# Altium PCB MB1801.PcbDoc (part 3 of 4)
Units mm, origin at the board's own origin, x right, y up, seen from the top; angles counter-clockwise.
Board outline 70.1 x 57.1 mm, 4 copper layers (Top Layer, Signal Layer 1, Signal Layer 2, Bottom Layer), stack 1.614 mm thick; 219 components, 166 nets, 1002 pads, 473 vias.
Unrouted connection lines stored in the file: 2.
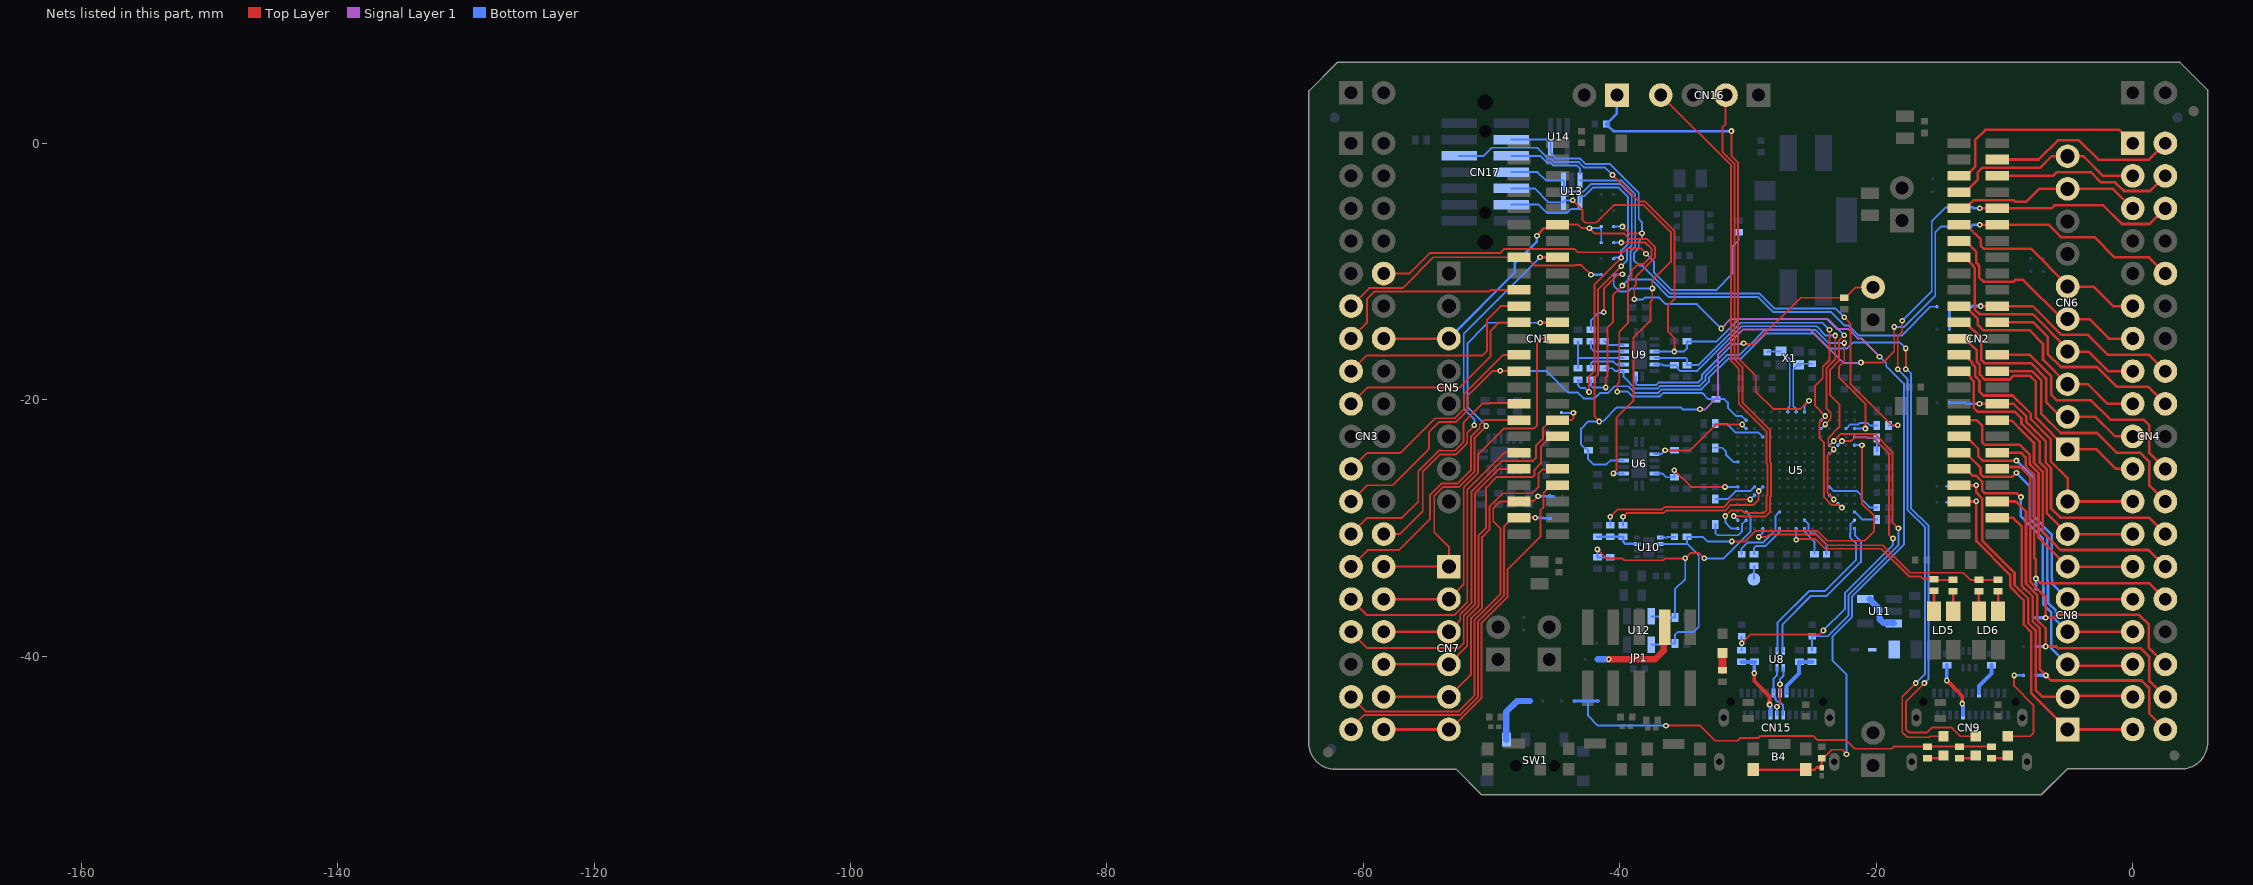
[diagram p5: the nets of this part, all layers, seen from the top]

## Via types
v1: diameter 0.45, hole 0.2, Top Layer to Bottom Layer, tented both sides, 473 vias

## Nets (pads, with @x,y where several pads share a name; then routed paths per layer and width w, separated by ;. In a path a pad name is that pad's centre, name@x,y a point inside that pad or via, vN(x,y) a via of type N, cw(c..) or ccw(c..) an arc to the next point about the centre after c; other vN are vias at no path point) (continued)
GPIO6/JTCK/SWCLK: CN1.15 CN3.11 SB15.1 | length 21.7
  Top Layer w0.15: CN3.11@-60.96,-12.7 -59.56,-11.3 -56.95,-11.3 -54.54,-8.89 CN1.15@-47.855,-8.89 -47.58,-9.165 -47.035,-9.165 -46.675,-9.525 -43.525,-9.525 -43.5,-9.5 -43,-9.5 v1(-42.25,-10.25)
  Bottom Layer w0.2: v1(-42.25,-10.25) SB15.1@-41.45,-10.25
GPIO7: CN1.16 CN3.26 | length 30.2
  Top Layer w0.15: CN3.26@-58.42,-30.48 -57.15,-30.48 -55.375,-28.705 -55.375,-25.614 -54.021,-24.26 -52.76,-24.26 -51.93,-23.43 -51.93,-23.387 -51.9,-23.357 -51.9,-22.575 -51.35,-22.025 v1(-51.35,-21.999)
  Top Layer w0.2: v1(-46.225,-8.9) -46.215,-8.89 CN1.16@-44.855,-8.89
  Bottom Layer w0.15: v1(-51.35,-21.999) -51.35,-21.525 -52.175,-20.7 -52.175,-14.85 v1(-46.225,-8.9)
GPIO8: CN1.19 CN3.13 | length 15.8
  Top Layer w0.15: CN3.13@-60.96,-15.24 -59.735,-14.015 -59.735,-12.16 -59.15,-11.575 -50.225,-11.575 -50.08,-11.43 ; -50.075,-11.425 -50.08,-11.43 ; CN1.19@-47.855,-11.43 -50.08,-11.43
GPIO9: CN1.21 CN3.15 | length 16.6
  Top Layer w0.15: CN3.15@-60.96,-17.78 -59.73,-16.55 -50.7,-16.55 -50.35,-16.2 -50.35,-15.598 -50.351,-15.597 -50.351,-13.751 -49.3,-12.7 CN1.21@-47.855,-12.7
GPIO10: CN1.23 CN3.17 | length 16.9
  Top Layer w0.15: CN3.17@-60.96,-20.32 -59.69,-19.05 -52.525,-19.05 -50.075,-16.6 -50.075,-15.485 -50.076,-15.484 -50.076,-14.626 -49.425,-13.975 ; -49.425,-13.97 CN1.23@-47.855,-13.97
GPIO11: CN1.24 CN3.28 CN7.1 SB27.1 | length 34.4
  Top Layer w0.15: CN3.28@-58.42,-33.02 CN7.1@-53.34,-33.02 -53.34,-31.46 -54.475,-30.325 -54.475,-27.484 -53.806,-26.815 -52.874,-26.815 -52.864,-26.825 -52.575,-26.825 -51.325,-25.575 -51.325,-22.964 -50.425,-22.064 v1(-50.425,-22.05)
  Top Layer w0.2: v1(-46.2,-14) -44.9,-14 CN1.24@-44.875,-13.975
  Bottom Layer w0.15: v1(-50.425,-22.05) -51.875,-20.6 -51.875,-15.586 -50.649,-14.36 -50.289,-14 v1(-46.2,-14)
  Bottom Layer w0.2: v1(-46.2,-14) SB27.1@-45.45,-14
GPIO12: CN1.26 CN3.30 CN7.2 | length 30.9
  Top Layer w0.15: CN7.2@-53.34,-35.56 -52.175,-34.395 -52.175,-26.825 -51.05,-25.7 -51.05,-24.25 -49.05,-22.25 -46.7,-22.25 -46.475,-22.025 -46.475,-15.65 -46.05,-15.225 CN1.26@-44.925,-15.225
  Top Layer w0.2: CN3.30@-58.42,-35.56 CN7.2@-53.34,-35.56
GPIO13: CN1.27 CN3.21 | length 17.5
  Top Layer w0.15: CN3.21@-60.96,-25.4 -59.71,-24.15 -57.1,-24.15 -54.4,-21.45 -53.033,-21.45 -53.028,-21.445 -52.874,-21.445 -52.175,-20.746 -52.175,-19.575 -49.125,-16.525 ; -49.125,-16.51 CN1.27@-47.855,-16.51
GPIO14: CN1.29 CN3.23 SB10.1 | length 19.8
  Top Layer w0.15: CN3.23@-60.96,-27.94 -59.695,-26.675 -57.725,-26.675 -54.9,-23.85 -54.9,-22.525 -54.1,-21.725 -52.765,-21.725 -51.875,-20.835 -51.875,-19.7 -49.925,-17.75 v1(-49.325,-17.75) CN1.29@-47.9,-17.75
  Bottom Layer w0.15: v1(-49.325,-17.75) -48.3,-17.75 SB10.1@-48.25,-17.7
GPIO15/OSC32_IN: CN1.33 CN3.25 | length 19.7
  Top Layer w0.15: CN3.25@-60.96,-30.48 -59.705,-29.225 -57,-29.225 -55.725,-27.95 -55.725,-25.575 -54.125,-23.975 -53.816,-23.975 -53.806,-23.985 -52.874,-23.985 -52.215,-23.326 -52.215,-23.305 -52.205,-23.295 -52.205,-21.78 -50.725,-20.3 -50.175,-20.3 ; -50.175,-20.275 CN1.33@-47.8,-20.275
GPIO16/OSC32_OUT: CN1.35 CN3.27 | length 20.6
  Top Layer w0.15: CN3.27@-60.96,-33.02 -59.665,-31.725 -57.225,-31.725 -54.8,-29.3 -54.8,-27.42 -53.92,-26.54 -52.679,-26.54 -51.6,-25.461 -51.6,-22.85 -50.925,-22.175 -50.925,-21.949 -50.566,-21.59 CN1.35@-47.855,-21.59
GPIO17: CN1.36 CN3.32 CN7.3 SB26.1 | length 29.3
  Top Layer w0.15: CN7.3@-53.34,-38.1 -52.45,-37.21 -52.45,-36.742 -51.575,-35.867 -51.575,-27.188 -51.35,-26.963 -51.35,-26.95 -49.175,-24.775 -46.775,-24.775 -46.55,-24.55 -46.55,-23.6 -46,-23.05 -46,-22.225 -45.68,-21.905 -45.68,-21.89 -45.38,-21.59 -43.765,-21.59 -43.625,-21.45 v1(-43.625,-21.025)
  Top Layer w0.2: CN3.32@-58.42,-38.1 CN7.3@-53.34,-38.1
  Bottom Layer w0.15: -44.425,-21.025 v1(-43.625,-21.025)
GPIO18: CN1.38 CN3.34 CN7.4 | length 28.3
  Top Layer w0.15: CN7.4@-53.34,-40.64 -51.9,-39.2 -51.9,-36.969 -51.025,-36.094 -51.025,-30.6 -50.425,-30 -50.425,-26.85 -49.6,-26.025 -46.8,-26.025 -46.65,-25.875 -46.65,-25.45 -46.165,-24.965 -46.165,-23.665 -45.68,-23.18 -45.68,-23.16 -45.38,-22.86 CN1.38@-44.855,-22.86
  Top Layer w0.2: CN3.34@-58.42,-40.64 CN7.4@-53.34,-40.64
GPIO19/OSC_IN: CN1.39 CN3.29 | length 24
  Top Layer w0.15: CN3.29@-60.96,-35.56 -59.72,-36.8 -52.9,-36.8 -51.9,-35.8 -51.9,-27.025 -49.005,-24.13 CN1.39@-47.855,-24.13
GPIO20/OSC_OUT: CN1.41 CN3.31 | length 25.8
  Top Layer w0.15: CN3.31@-60.96,-38.1 -59.685,-39.375 -52.55,-39.375 -52.175,-39 -52.175,-36.855 -51.3,-35.98 -51.3,-27.302 -49.398,-25.4 CN1.41@-47.855,-25.4
GPIO21: CN1.42 CN3.36 CN7.5 | length 28.5
  Top Layer w0.15: CN7.5@-53.34,-43.18 -51.625,-41.465 -51.625,-37.083 -50.75,-36.208 -50.75,-35.2 -50.75,-30.714 -50.15,-30.114 -50.15,-28.325 -49.125,-27.3 -48.6,-27.3 -46.85,-27.3 -46.337,-26.788 -46.337,-25.737 -46.05,-25.45 -45.425,-25.45 -45.225,-25.65 -45.105,-25.65 CN1.42@-44.855,-25.4
  Top Layer w0.2: CN3.36@-58.42,-43.18 CN7.5@-53.34,-43.18
GPIO22: CN1.44 CN3.38 CN7.6 | length 28
  Top Layer w0.15: CN7.6@-53.34,-45.72 -53.22,-45.72 -52.355,-44.855 -52.352,-44.855 -50.8,-43.303 -50.8,-37.425 -48.75,-35.375 -48.75,-33.225 -46.175,-30.65 -46.175,-28.601 -45.95,-28.376 -45.95,-27.735 -45.955,-27.73 -45.955,-27.482 -45.95,-27.478 -45.95,-27.25 -45.655,-26.955 -45.655,-26.945 -45.38,-26.67 CN1.44@-44.855,-26.67
  Top Layer w0.2: CN3.38@-58.42,-45.72 CN7.6@-53.34,-45.72
GPIO23: CN1.45 CN3.35 SB5.1 | length 31.4
  Top Layer w0.15: CN3.35@-60.96,-43.18 -59.835,-44.305 -52.58,-44.305 -51.35,-43.075 -51.35,-37.197 -49.3,-35.147 -49.3,-30.05 -49.875,-29.475 -49.875,-28.475 -49.34,-27.94 CN1.45@-47.855,-27.94 ; CN1.45@-47.855,-27.897 -46.722,-27.897 -46.38,-27.555 v1(-46.38,-27.525)
  Bottom Layer w0.2: v1(-46.38,-27.525) -45.513,-27.525 -45.499,-27.51 -45.465,-27.51 SB5.1@-45.45,-27.525 ; SB5.1@-45.45,-27.55 -45.166,-27.55
GPIO24: CN1.47 CN3.37 SB3.1 | length 29
  Top Layer w0.15: CN3.37@-61,-45.65 -59.93,-44.58 -52.466,-44.58 -51.075,-43.189 -51.075,-37.311 -49.025,-35.261 -49.025,-29.875 -48.68,-29.53 -48.68,-29.51 -48.38,-29.21 CN1.47@-47.855,-29.21 -47.845,-29.2 v1(-46.6,-29.2)
  Bottom Layer w0.2: v1(-46.6,-29.2) -46.016,-29.2 -45.966,-29.25 SB3.1@-45.45,-29.25
GPIO25: CN2.4 CN4.2 | length 14.5
  Top Layer w0.2: CN2.4@-10.195,-1.27 -7.341,-1.27 -5.842,0.229 -4.191,0.229 -2.687,-1.275 1.265,-1.275 CN4.2@2.54,0
GPIO26: CN2.5 CN4.1 | length 17.1
  Top Layer w0.2: CN2.5@-13.935,-2.54 -12.99,-2.54 -12.275,-1.825 -12.275,0.275 -11.5,1.05 -1.05,1.05 CN4.1@0,0
GPIO27: CN2.6 CN4.4 | length 13.9
  Top Layer w0.2: CN2.6@-10.195,-2.54 -6.223,-2.54 -5.958,-2.275 -3.237,-2.275 -2.462,-3.05 -1.375,-3.05 -0.7,-3.725 1.355,-3.725 CN4.4@2.54,-2.54
GPIO28: CN2.7 CN4.3 CN6.10 | length 16.1
  Top Layer w0.2: CN2.7@-13.935,-3.81 -13.04,-3.81 -12.765,-3.535 -12.765,-3.515 -12.1,-2.85 -12.1,-2.3 -11.7,-1.9 -7.209,-1.9 -6.325,-1.016 CN6.10@-5.08,-1.016 -3.835,-1.016 -2.311,-2.54 CN4.3@0,-2.54
GPIO29: CN2.9 CN4.5 CN6.9 | length 15.3
  Top Layer w0.2: CN2.9@-13.935,-5.08 -13.04,-5.08 -12.765,-4.805 -12.765,-4.79 -12.43,-4.455 -9.27,-4.455 -9.175,-4.55 -8.3,-4.55 -7.306,-3.556 CN6.9@-5.08,-3.556 -1.524,-3.556 CN4.5@0,-5.08
GPIO30: CN2.10 CN4.6 SB9.1 | length 16.8
  Top Layer w0.2: v1(-11.925,-5.075) -11.92,-5.08 CN2.10@-10.565,-5.08 -6.35,-5.08 -6.12,-4.85 -2.3,-4.85 -0.85,-6.3 1.32,-6.3 CN4.6@2.54,-5.08
  Bottom Layer w0.2: SB9.1@-13.05,-5 -12.5,-5 -12.425,-5.075 v1(-11.925,-5.075)
GPIO31: CN2.11 CN4.11 CN6.6 | length 16.5
  Top Layer w0.2: CN2.11@-13.565,-6.35 -13.29,-6.625 -12.75,-6.625 -11.85,-7.525 -11.85,-8.025 -11.65,-8.225 -7.95,-8.225 -5.2,-10.975 CN6.6@-5.2,-11.15 ; CN6.6@-5.08,-11.176 -3.049,-11.176 -1.525,-12.7 CN4.11@0,-12.7
GPIO32: CN2.12 CN4.10 SB12.1 | length 17.2
  Top Layer w0.2: v1(-11.925,-6.35) CN2.12@-10.565,-6.35 -6.579,-6.35 -5.604,-7.325 -3,-7.325 -1.425,-8.9 1.28,-8.9 CN4.10@2.54,-10.16
  Bottom Layer w0.2: SB12.1@-13.05,-6.5 -12.596,-6.5 -12.446,-6.35 v1(-11.925,-6.35)
GPIO33: CN2.13 CN4.13 CN6.5 | length 18.2
  Top Layer w0.2: CN2.13@-13.935,-7.62 -13.04,-7.62 -12.765,-7.895 -12.765,-7.91 -12.2,-8.475 -12.2,-9.305 -12.065,-9.44 -12.065,-9.514 -11.975,-9.603 -11.975,-10.45 -11.625,-10.8 -9.3,-10.8 -9.15,-10.65 -8.55,-10.65 -5.484,-13.716 CN6.5@-5.08,-13.716 -3.384,-13.716 -1.86,-15.24 CN4.13@0,-15.24
GPIO34: CN2.15 CN4.15 CN6.4 | length 19.3
  Top Layer w0.2: CN2.15@-13.565,-8.89 -13.04,-8.89 -12.765,-9.165 -12.765,-9.235 -12.415,-9.585 -12.415,-9.658 -12.335,-9.738 -12.335,-12.953 -11.963,-13.325 -7.8,-13.325 -5.08,-16.045 CN6.4@-5.08,-16.256 -3.444,-16.256 -1.92,-17.78 CN4.15@0,-17.78
GPIO37: CN2.21 CN4.17 CN6.3 | length 17.7
  Top Layer w0.2: CN2.21@-13.565,-12.7 -13.04,-12.7 -12.765,-12.975 -12.765,-13.013 -12.685,-13.092 -12.685,-13.098 -12.1,-13.683 -12.1,-14.15 -11.668,-14.582 -8.068,-14.582 -7,-15.65 -7,-16.875 -5.08,-18.795 -3.479,-18.796 -1.955,-20.32 CN4.17@0,-20.32
GPIO38: CN2.22 CN4.16 SB13.1 SB24.1 | length 20.7
  Top Layer w0.2: v1(-11.86,-12.7) -7.8,-12.7 -5.55,-14.95 -3.475,-14.95 -1.915,-16.51 1.27,-16.51 CN4.16@2.54,-17.78
  Bottom Layer w0.254: SB24.1@-14.3,-14.475 SB13.1@-14.3,-12.75 -12.575,-12.75 -12.525,-12.7 v1(-11.86,-12.7)
GPIO39: CN2.23 CN4.19 CN6.2 | length 19.7
  Top Layer w0.2: CN2.23@-13.935,-13.97 -13.04,-13.97 -11.81,-15.2 -11.81,-16.915 -11.575,-17.15 -7.95,-17.15 -6.75,-18.35 -6.75,-20.175 -5.589,-21.336 CN6.2@-5.08,-21.336 -2.889,-21.336 -1.365,-22.86 CN4.19@0,-22.86
GPIO40: CN2.24 CN4.18 | length 16.1
  Top Layer w0.2: CN2.24@-10.195,-13.97 -7.755,-13.97 -6.64,-15.085 -6.64,-16.423 -5.613,-17.45 -2.794,-17.45 -1.245,-18.999 1.219,-18.999 CN4.18@2.54,-20.32
GPIO41: CN2.25 CN4.21 CN6.1 | length 21
  Top Layer w0.2: CN2.25@-13.935,-15.24 -13.04,-15.24 -12.765,-15.515 -12.765,-15.56 -12.16,-16.165 -12.16,-17.061 -11.925,-17.296 -11.925,-18.048 -11.548,-18.425 -9.602,-18.425 -9.327,-18.15 -8,-18.15 -7.55,-18.6 -7.55,-21.406 CN6.1@-5.08,-23.876 -2.824,-23.876 -1.3,-25.4 CN4.21@0,-25.4
GPIO42: CN2.27 CN4.23 CN8.8 | length 21.7
  Top Layer w0.2: CN2.27@-13.565,-16.51 -13.04,-16.51 -12.765,-16.785 -12.765,-16.86 -12.51,-17.115 -12.51,-17.206 -12.275,-17.441 -12.275,-18.198 -11.95,-18.523 -11.95,-19.375 -11.65,-19.675 -9.375,-19.675 -7.955,-21.095 -7.955,-21.52 -6.4,-23.075 -6.4,-24.8 -5.08,-26.12 CN8.8@-5.08,-27.94 CN4.23@0,-27.94
GPIO43: CN2.28 CN4.22 | length 18.5
  Top Layer w0.2: CN2.28@-10.195,-16.51 -8.015,-16.51 -6.345,-18.18 -6.345,-19.63 -5.925,-20.05 -3.25,-20.05 -1.75,-21.55 0.825,-21.55 1.3,-22.025 1.3,-24.16 CN4.22@2.54,-25.4
GPIO44: CN2.29 CN4.25 CN8.7 | length 23.7
  Top Layer w0.2: CN2.29@-13.935,-17.78 -13.04,-17.78 -12.765,-18.055 -12.765,-18.11 -12.625,-18.25 -12.625,-18.343 -12.4,-18.568 -12.4,-20.632 -12.082,-20.95 -9.175,-20.95 -8.675,-21.45 -8.675,-21.875 -7.25,-23.3 -7.25,-24.912 -6.7,-25.462 -6.7,-28.86 CN8.7@-5.08,-30.48 CN4.25@0,-30.48
GPIO45: CN2.30 CN4.24 | length 19.5
  Top Layer w0.2: CN2.30@-10.195,-17.78 -7.845,-17.78 -7.15,-18.475 -7.15,-21.064 -5.614,-22.6 -2.775,-22.6 -1.225,-24.15 0.6,-24.15 1.3,-24.85 1.3,-26.7 CN4.24@2.54,-27.94
GPIO46: CN2.34 CN4.26 SB25.1 | length 24.2
  Top Layer w0.2: v1(-11.95,-20.325) -10.57,-20.325 CN2.34@-10.565,-20.32 -9.28,-20.32 -8.315,-21.285 -8.315,-21.71 -6.8,-23.225 -6.8,-24.902 -6.375,-25.327 -6.375,-28.475 -5.65,-29.2 1.26,-29.2 CN4.26@2.54,-30.48
  Bottom Layer w0.2: SB25.1@-14.3,-20.25 -13.05,-20.25 -12.975,-20.325 v1(-11.95,-20.325)
GPIO47: CN2.35 CN4.27 CN8.6 | length 22.8
  Top Layer w0.2: CN2.35@-13.935,-21.59 -12.185,-21.59 -11.75,-22.025 -11.75,-23.3 -11.715,-23.335 -11.715,-23.339 -11.553,-23.5 -8.85,-23.5 -8.025,-24.325 -8.025,-25.056 -7.35,-25.731 -7.35,-30.75 CN8.6@-5.08,-33.02 CN4.27@0,-33.02
GPIO48: CN2.36 CN4.28 | length 21.5
  Top Layer w0.2: CN2.36@-10.565,-21.59 -10.512,-21.643 -9.432,-21.643 -8.488,-22.586 -7.7,-23.375 -7.7,-24.921 -7.025,-25.596 -7.025,-30.325 -5.625,-31.725 1.245,-31.725 CN4.28@2.54,-33.02
GPIO49: CN2.37 CN4.29 CN8.5 | length 23.2
  Top Layer w0.2: CN2.37@-13.565,-22.86 -13.29,-23.135 -12.74,-23.135 -12.05,-23.825 -12.05,-24.4 -11.7,-24.75 v1(-9.075,-24.75) ; CN8.5@-5.08,-35.56 CN4.29@0,-35.56
  Bottom Layer w0.2: v1(-9.075,-24.75) -7.7,-26.125 -7.7,-29.125 -6.325,-30.5 -6.325,-33.957 -6.275,-34.007 -6.275,-34.365 CN8.5@-5.08,-35.56
GPIO50: CN2.39 CN4.31 CN8.4 | length 24.8
  Top Layer w0.2: CN2.39@-13.565,-24.13 -13.04,-24.13 -12.765,-24.405 -12.765,-24.41 -11.875,-25.3 -11.875,-25.775 -11.625,-26.025 -9.4,-26.025 v1(-9.075,-25.7) ; CN8.4@-5.08,-38.1 CN4.31@0,-38.1
  Bottom Layer w0.2: v1@-9.075,-25.725 -8.025,-26.775 -8.025,-29.325 -7.925,-29.425 ; -7.91,-29.41 -6.675,-30.645 -6.675,-34.101 -6.625,-34.151 -6.625,-34.51 -6.61,-34.525 -6.61,-35.84 -6,-36.45 -6,-37.18 CN8.4@-5.08,-38.1
GPIO51: CN2.40 CN4.30 SB4.1 | length 23.3
  Top Layer w0.2: CN2.40@-10.195,-24.13 -8.72,-24.13 -8.35,-24.5 -8.35,-25.19 -7.675,-25.865 -7.675,-32.35 -7.55,-32.475 v1(-7.55,-33.95) -7.2,-34.3 1.28,-34.3 CN4.30@2.54,-35.56
  Bottom Layer w0.254: SB4.1@-7.55,-34.75 v1(-7.55,-33.95)
GPIO52: CN2.41 CN4.33 CN8.3 | length 26
  Top Layer w0.2: CN2.41@-13.565,-25.4 -13.04,-25.4 -12.515,-25.925 -12.225,-25.925 -11.75,-26.4 -11.75,-27.075 -11.525,-27.3 -9.025,-27.3 v1(-8.725,-27.6) ; CN8.3@-5.08,-40.64 -4.953,-40.767 -0.127,-40.767 CN4.33@0,-40.64
  Bottom Layer w0.2: v1(-8.725,-27.6) -8.725,-29.1 -8.6,-29.225 ; -8.595,-29.22 -7.025,-30.79 -7.025,-34.246 -6.975,-34.296 -6.975,-34.655 -6.96,-34.67 -6.96,-35.99 -6.35,-36.6 -6.35,-39.4 CN8.3@-5.025,-40.725
GPIO53: CN2.42 CN4.34 SB6.1 | length 27.3
  Top Layer w0.2: CN2.42@-10.565,-25.4 -10.415,-25.25 -8.75,-25.25 -8,-26 -8,-34.175 -6.8,-35.375 v1(-6.8,-37) -6.125,-37 -5.9,-36.775 0.5,-36.775 1.25,-37.525 1.25,-39.35 CN4.34@2.54,-40.64
  Bottom Layer w0.254: SB6.1@-7.55,-37 v1(-6.8,-37)
GPIO54: CN2.43 CN4.35 CN8.2 SB8.1 | length 29.4
  Top Layer w0.2: CN2.43@-13.565,-26.67 v1@-12.205,-26.67 ; v1(-12.2,-26.675) -12.2,-27.25 -11.74,-27.71 -11.74,-30.99 -9.22,-33.51 -9.22,-34.44 -8.15,-35.51 -8.15,-37.425 -7.575,-38 -7.575,-42.625 -7.025,-43.175 -5.085,-43.175 CN8.2@-5.08,-43.18 ; CN8.2@-5.004,-43.104 -0.076,-43.104 CN4.35@0,-43.18
  Bottom Layer w0.2: -14.55,-26.75 SB8.1@-14.3,-26.75 -13.225,-26.75 -13.15,-26.675 v1(-12.2,-26.675)
GPIO55: CN2.45 CN4.37 CN8.1 SB7.1 | length 29.6
  Top Layer w0.2: CN2.45@-13.565,-27.94 -12.215,-27.94 v1(-12.2,-27.925) -12.2,-31.025 -9.57,-33.655 -9.57,-34.585 -8.5,-35.655 -8.5,-37.55 -7.9,-38.15 -7.9,-42.9 CN8.1@-5.08,-45.72 CN4.37@0,-45.72
  Bottom Layer w0.2: -14.525,-28 SB7.1@-14.3,-28 -13.525,-28 -13.45,-27.925 v1(-12.2,-27.925)
GPIO56: CN2.46 CN4.36 SB2.1 | length 26.5
  Top Layer w0.2: CN2.46@-10.565,-27.94 -9.11,-27.94 -8.325,-28.725 -8.325,-34.345 -7.45,-35.22 -7.45,-37.175 -6.8,-37.825 v1(-6.8,-39.25) ; v1@-6.775,-39.25 -5.975,-39.25 -5.825,-39.4 0.65,-39.4 1.3,-40.05 1.3,-41.94 CN4.36@2.54,-43.18
  Bottom Layer w0.254: SB2.1@-7.55,-39.25 v1(-6.8,-39.25)
GPIO57: CN2.48 CN4.38 SB11.1 | length 27.6
  Top Layer w0.2: CN2.48@-10.565,-29.21 -9.34,-29.21 -8.65,-29.9 -8.65,-34.515 -7.8,-35.365 -7.8,-37.3 -7.25,-37.85 -7.25,-41.025 v1(-6.775,-41.5) -6.375,-41.9 0.7,-41.9 1.275,-42.475 1.275,-44.455 CN4.38@2.54,-45.72
  Bottom Layer w0.254: SB11.1@-7.55,-41.5 v1(-6.775,-41.5)
HiZ_DBG_IF_EN: JP4.2 R47.2 U9.9 | length 22.5
  Top Layer w0.15: v1(-30.35,-15.605) -30.305,-15.65 -29.5,-15.65 -25.9,-12.05 -22.405,-12.05 -21.605,-11.25 JP4.2@-20.25,-11.25
  Bottom Layer w0.15: U9.9@-38.75,-18.2 -38.75,-18.775 -38.662,-18.863 -37.177,-18.863 -36.964,-18.65 -33.875,-18.65 -33.6,-18.375 -33.6,-18.1 -33.6,-18.075 -31.175,-15.65 -30.395,-15.65 v1(-30.35,-15.605)
JTCK/SWCLK: CN17.6 R34.2 SB15.2 U6.11 U13.5 | length 47.6
  Top Layer w0.15: v1(-43.675,-4.45) -42.9,-5.225 -42.9,-6 -42.7,-6.2 -41.85,-6.2 -40.475,-4.825 -38.139,-4.825 -36.025,-6.939 -36.025,-9.017 -36.025,-9.25 -37.475,-10.7 v1@-37.475,-11.3 ; v1(-41.25,-13.175) -41.25,-11.35 -40.131,-10.231 -39.806,-10.231 v1(-39.8,-10.225) ; v1(-40.5,-25.75) -40.5,-25.737 -40.275,-25.512 -40.275,-21.414 -38.95,-20.089 -38.95,-15.475 -38.95,-15.178 -37.625,-13.853 -37.625,-12.375 -37.475,-12.225 -37.475,-11.338 v1(-37.462,-11.325)
  Bottom Layer w0.15: CN17.6@-48.468,-3.52 -46.655,-3.52 -45.575,-4.6 U13.5@-44.4,-4.6 -44.4,-4.575 -44.275,-4.45 v1(-43.675,-4.45) ; R34.2@-42.25,-14.55 -42.25,-13.8 -41.682,-13.232 -41.307,-13.232 v1(-41.25,-13.175) ; v1(-40.5,-25.75) U6.11@-39.7,-25.75 ; v1(-39.8,-10.225) -40.422,-10.225 -40.447,-10.25 SB15.2@-40.475,-10.25 -40.475,-11.125 -40.025,-11.575 -39.35,-11.575 -39.1,-11.325 v1(-37.462,-11.325)
JTDI: CN17.10 R37.2 SB13.2 U13.3 | length 55.4
  Top Layer w0.15: v1(-41.1,-19.039) -41.1,-18.275 -40.975,-18.15 -40.975,-14.375 -40.525,-13.925 -40.525,-11.825 v1(-39.8,-11.1)
  Bottom Layer w0.15: CN17.10@-48.468,-0.98 -46.22,-0.98 -46.07,-1.13 -46.07,-1.145 -45.715,-1.5 -45.428,-1.5 -45.178,-1.75 -43.325,-1.75 -43.1,-1.975 U13.3@-43.1,-2.4 ; U13.3@-43.1,-2.9 -39.886,-2.9 -38.8,-3.986 -38.8,-8.075 -39.175,-8.45 -39.175,-10.275 -39.3,-10.4 -39.325,-10.425 -39.325,-10.625 ; R37.2@-42.25,-18.45 -42.25,-18.9 -42.1,-19.05 -41.11,-19.05 v1(-41.1,-19.039) ; v1(-39.8,-11.1) -39.325,-10.625 ; SB13.2@-15.275,-12.75 -15.775,-12.75 -18.025,-15 -21.375,-15 -22.175,-14.2 -22.486,-14.2 -22.718,-13.968 -23.511,-13.175 -28.039,-13.175 -29.214,-12 -36.186,-12 -37.561,-10.625 -39.325,-10.625
JTDO/SWO: CN17.8 R18.1 SB12.2 U6.13 U13.1 | length 79.5
  Top Layer w0.15: v1(-41.6,-21.7) -41.975,-21.325 -41.975,-18.275 -41.775,-18.075 -41.7,-18 -41.7,-11.4 v1(-39.9,-9.6) ; v1(-21.2,-17.1) -19.475,-17.1 -18.6,-16.225 v1(-18.6,-14.325)
  Signal Layer 1 w0.15: v1(-33.75,-20.75) -33.35,-20.75 -32.35,-19.75 -32.35,-16.503 -30.372,-14.525 -25.175,-14.525 -22.575,-17.125 -21.225,-17.125 v1(-21.2,-17.1)
  Bottom Layer w0.15: CN17.8@-48.468,-2.25 -46.425,-2.25 -45.775,-2.9 U13.1@-44.4,-2.9 -44.363,-2.937 -44.363,-3.637 -44.225,-3.775 -42.85,-3.775 -42.25,-3.175 -40,-3.175 -39.075,-4.1 -39.075,-7.95 -39.45,-8.325 -39.45,-9.15 v1(-39.9,-9.6) ; R18.1@-42.5,-23.95 -42.5,-24.625 -42.075,-25.05 -41.05,-25.05 -40.75,-24.75 U6.13@-39.7,-24.75 ; R18.1@-42.45,-23.95 -42.63,-23.77 -42.755,-23.77 -42.825,-23.7 -43.025,-23.5 -43.025,-22.25 -42.475,-21.7 v1(-41.6,-21.7) -41.582,-21.682 -41.307,-21.682 -40.225,-20.6 -35.25,-20.6 -35.1,-20.75 v1(-33.75,-20.75) ; v1(-18.6,-14.325) -17.825,-14.325 -15.4,-11.9 -15.4,-6.925 -14.975,-6.5 SB12.2@-14.025,-6.5
JTMS/SWDIO: CN17.4 R35.2 SB17.2 U13.4 | length 29.3
  Top Layer w0.15: v1(-42.4,-19.4) -42.4,-18.175 -41.975,-17.75 -41.975,-11 v1(-39.9,-8.925)
  Bottom Layer w0.15: CN17.4@-48.468,-4.79 -46.335,-4.79 -45.675,-5.45 -44.125,-5.45 -43.8,-5.125 U13.4@-43.125,-5.125 ; R35.2@-43.25,-18.45 -43.25,-18.9 -43.075,-19.075 -42.725,-19.075 v1(-42.4,-19.4) ; R35.2@-43.155,-18.45 R35.2@-42.975,-18.63 ; U13.4@-43.1,-4.6 -43.1,-4.262 -42.975,-4.137 -42.763,-4.137 -42.076,-3.45 -40.25,-3.45 -40.114,-3.45 -39.35,-4.214 -39.35,-7.825 -39.9,-8.375 v1(-39.9,-8.925) -40.372,-8.925 -40.447,-9 SB17.2@-40.475,-9
LD1: LD1.2 SB9.2 | length 48.1
  Top Layer w0.15: v1(-18.325,-17.625) -18.325,-15.05 -17.975,-14.7 v1(-17.975,-13.85) ; v1(-16.925,-42.1) -16.925,-42.125 -17.975,-43.175 -17.975,-45.95 -17.6,-46.325 -15.885,-46.325 -15.81,-46.25 LD1.2@-14.75,-46.25
  Bottom Layer w0.15: v1(-18.325,-17.625) -17.575,-18.375 -17.575,-28.575 -16.2,-29.95 -16.2,-41.375 v1(-16.925,-42.1) ; v1(-17.975,-13.85) -15.675,-11.55 -15.675,-6.1 -14.575,-5 SB9.2@-14.05,-5
LD2: LD2.2 SB10.2 | length 71.2
  Top Layer w0.15: v1(-17.701,-17.626) v1(-17.7,-16) ; v1(-16.25,-42.1) -17.7,-43.55 -17.7,-45.7 -17.45,-45.95 -16.025,-45.95 -15.625,-45.55 -14.15,-45.55 -13.45,-46.25 LD2.2@-12.25,-46.25
  Bottom Layer w0.15: SB10.2@-47.225,-17.75 -45.725,-17.75 -44.025,-19.45 -43.275,-19.45 -42.825,-19.9 -41.949,-19.9 -41.513,-19.465 -40.915,-19.465 -40.4,-18.95 -39.364,-18.95 -38.839,-19.475 -37,-19.475 -36.725,-19.2 -33.636,-19.2 -33.05,-18.614 -33.05,-18.303 -31.522,-16.775 -30.525,-16.775 -28.575,-14.825 -24.897,-14.825 -23.722,-16 -22.275,-16 -21.825,-15.55 -18.15,-15.55 v1(-17.7,-16) ; v1(-17.701,-17.626) -17.624,-17.626 -17.3,-17.95 -17.3,-19.275 -17.3,-28.45 -15.925,-29.825 -15.925,-41.775 v1(-16.25,-42.1)
LD3: LD3.2 SB11.2 | length 7.9
  Top Layer w0.15: LD3.2@-9.75,-46.25 -8,-46.25 -7.75,-46 -7.75,-43.825 -9.25,-42.325 v1(-9.25,-41.5)
  Bottom Layer w0.2: v1(-9.25,-41.5) SB11.2@-8.525,-41.5
NetC32_2: C32.2 JP3.1 U5.J1 | length 39.5
  Top Layer w0.15: v1(-31.3,0.95) -31.3,-0.982 -30.775,-1.507 -30.775,-16.75 -29.4,-18.125 -29.4,-19.375 -28.05,-20.725 -25.9,-20.725 v1(-25.25,-20.075)
  Bottom Layer w0.15: U5.J1@-25.6,-20.95 -25.6,-20.425 v1(-25.25,-20.075)
  Bottom Layer w0.2: C32.2@-40.92,1.37 -40.92,1.345 -40.895,1.32 -40.87,1.32 -40.5,0.95 v1(-31.3,0.95) ; C32.2@-40.92,1.63 -40.23,2.32 JP3.1@-40.23,3.75
  Bottom Layer w0.3: C32.2@-41.05,1.5 -41.05,1.475 -40.945,1.37 C32.2@-40.92,1.37
NetC33_2: C33.2 U5.J14 | length 3.5
  Bottom Layer w0.15: U5.J14@-25.6,-29.4 -25.425,-29.575 -25.275,-29.725 -25.275,-30.225 -25.075,-30.425 -24.775,-30.425 -23.875,-31.325 C33.2@-23.875,-32.05
NetC36_2: C36.2 U10.1 | length 1.2
  Bottom Layer w0.15: U10.1@-36.85,-30.75 -36.3,-30.75 -36.25,-30.7 C36.2@-35.75,-30.7 -35.725,-30.7 C36.2@-35.7,-30.725
NetC54_2: C54.2 D1.2 U11.3 U11.5 | length 3.1
  Bottom Layer w0.5: U11.5@-20.5,-35.55 -20.45,-35.6 -20.45,-35.65 -19.75,-36.35 -19.75,-37.107 -19.457,-37.4 -18.7,-37.4 U11.3@-18.65,-37.45
NetC56_2: C56.2 U5.M10 | length 4.5
  Bottom Layer w0.15: U5.M10@-23.65,-26.8 -23.325,-27.125 -21.5,-27.125 -21.175,-27.45 -21.175,-27.725 -20.5,-28.4 C56.2@-19.95,-28.4
NetC57_2: C57.2 U5.F13 | length 5.2
  Bottom Layer w0.15: C57.2@-30.5,-32.05 -30.5,-31.6 -30.025,-31.125 -28.8,-31.125 -27.875,-30.2 -27.875,-29.075 U5.F13@-27.55,-28.75
NetCN3_10: CN3.10 R1.1 | length 34
  Top Layer w0.15: CN3.10@-58.42,-10.16 -56.41,-10.16 -54.815,-8.565 -49.34,-8.565 -49.022,-8.247 -43.553,-8.247 -43.3,-8.5 -39.725,-8.5 -39.45,-8.225 -38.35,-8.225 v1@-37.975,-8.6 ; v1@-37.974,-8.599 v1(-37.96,-8.614)
  Bottom Layer w0.15: v1(-37.96,-8.614) -37.325,-9.249 -37.325,-10.083 -35.958,-11.45 -32.5,-11.45 -31.225,-10.175 -31.225,-8.075 -30.75,-7.6 R1.1@-30.75,-6.95
NetCN9_A5: CN9.A5 R11.2 | length 2.6
  Bottom Layer w0.3: CN9.A5@-11.99,-42.89 -11.99,-42.333 -11.004,-41.347 R11.2@-11.004,-40.697
NetCN9_B5: CN9.B5 R12.2 | length 4.4
  Top Layer w0.3: v1(-14.5,-41.9) -13.3,-43.1 v1(-13.3,-43.7)
  Bottom Layer w0.3: v1(-14.5,-41.9) R12.2@-14.5,-40.7 ; v1(-13.3,-43.7) -13.271,-43.729 -13.271,-43.844 -13.24,-43.876 CN9.B5@-13.24,-44.59
NetCN15_A5: CN15.A5 R14.1 R20.1 | length 3.9
  Bottom Layer w0.3: CN15.A5@-27.01,-42.89 -27.01,-42.333 -26.024,-41.347 -26.024,-40.447 -26.021,-40.45 R14.1@-26,-40.45 R20.1@-25,-40.45
NetCN15_B5: CN15.B5 R22.1 R23.1 | length 5.5
  Top Layer w0.3: v1(-29.52,-41.325) -29.52,-41.95 -28.32,-43.15 v1(-28.32,-43.775)
  Bottom Layer w0.3: R22.1@-30.5,-40.45 R23.1@-29.5,-40.45 R23.1@-29.45,-40.45 ; v1@-29.545,-41.325 -29.52,-41.3 R23.1@-29.52,-40.7 ; v1(-28.32,-43.775) -28.32,-43.816 -28.26,-43.876 CN15.B5@-28.26,-44.59
NetJP1_8: JP1.8 SB21.2 | length 7.3
  Top Layer w0.5: v1(-40.875,-40.25) -37.25,-40.25 -36.565,-39.565 -36.565,-37.815 JP1.8@-36.5,-37.75
  Bottom Layer w0.5: SB21.2@-41.725,-40.25 v1(-40.875,-40.25)
NetLD1_1: LD1.1 R6.2 | length 1.3
  Top Layer w0.2: R6.2@-16,-47.95 -14.925,-47.95 LD1.1@-14.75,-47.775
NetLD2_1: LD2.1 R7.2 | length 1.2
  Top Layer w0.2: R7.2@-13.5,-47.95 -12.325,-47.95 LD2.1@-12.275,-47.9
NetLD3_1: LD3.1 R8.2 | length 1.3
  Top Layer w0.2: R8.2@-11,-47.95 -9.975,-47.95 LD3.1@-9.775,-47.75
NetLD4_1: LD4.1 R13.1 | length 1.4
  Top Layer w0.6: R13.1@-32,-41.1 LD4.1@-32,-39.75
NetLD5_1: LD5.1 R48.1 | length 1.6
  Top Layer w0.2: LD5.1@-15.5,-36.5 R48.1@-15.5,-34.9
NetLD5_2: LD5.2 R50.1 | length 1.6
  Top Layer w0.2: LD5.2@-14,-36.5 R50.1@-14,-34.95
NetLD6_1: LD6.1 R49.1 | length 1.6
  Top Layer w0.2: LD6.1@-12,-36.5 R49.1@-12,-34.95
NetLD6_2: LD6.2 R51.2 | length 1.6
  Top Layer w0.2: LD6.2@-10.5,-36.5 R51.2@-10.5,-34.95
NetR6_1: R6.1 R7.1 R8.1 SB18.1 SB19.1 | length 35.9
  Top Layer w0.15: v1(-36.4,-45.425) -33.724,-45.425 -33.325,-45.824 -32.549,-46.6 -30.825,-46.6 -30.625,-46.4 -29.209,-46.4 -29.034,-46.225 -24.925,-46.225 -24.625,-46.525 -22.4,-46.525 -21.7,-47.225 -18.8,-47.225 -18.625,-47.05 R6.1@-16,-47.05 R7.1@-13.5,-47.05 R8.1@-11,-47.05
  Bottom Layer w0.15: -42.5,-43.5 -42.5,-44.625 -41.712,-45.412 -36.413,-45.412 v1(-36.4,-45.425)
  Bottom Layer w0.2: SB19.1@-43.55,-43.5 -42.5,-43.5 SB18.1@-41.7,-43.5
NetR21_2: R21.2 TP1.1 | length 1
  Bottom Layer w0.15: TP1.1@-29.55,-34 -29.55,-33.025 R21.2@-29.5,-32.975
NetR28_1: R28.1 R35.1 U9.12 | length 5.7
  Bottom Layer w0.15: R35.1@-43.3,-17.55 -43.25,-17.5 -43.25,-16.75 ; R28.1@-43.25,-15.45 -43.25,-16.75 ; U9.12@-39.7,-16.75 -43.25,-16.75
NetR29_1: R29.1 U5.P3 | length 2.6
  Bottom Layer w0.15: U5.P3@-22.35,-22.25 -22.02,-21.92 -21.394,-21.92 -21.299,-21.825 -20.674,-21.825 -20.499,-22 R29.1@-19.95,-22
NetR30_1: R30.1 U5.J15 | length 2.3
  Bottom Layer w0.15: U5.J15@-25.6,-30.05 -25.581,-30.069 -25.581,-30.308 -24.825,-31.064 R30.1@-24.825,-32
NetR32_1: R32.1 U9.14 | length 1.7
  Bottom Layer w0.15: R32.1@-41.225,-15.425 -41.18,-15.425 -40.975,-15.63 -40.975,-15.662 -40.887,-15.75 U9.14@-39.7,-15.75
NetR34_1: R34.1 U9.13 | length 3.2
  Bottom Layer w0.15: R34.1@-42.225,-15.425 R34.1@-42.25,-15.45 -42.25,-16 -42,-16.25 U9.13@-39.7,-16.25
NetR37_1: R37.1 U9.11 | length 3
  Bottom Layer w0.15: R37.1@-42.25,-17.475 -42.25,-17.15 -42.125,-17.025 -40.5,-17.025 -40.275,-17.25 U9.11@-39.7,-17.25
NetR39_1: R39.1 U5.D4 | length 4.3
  Bottom Layer w0.15: R39.1@-32.725,-21.925 R39.1@-32.55,-21.925 ; R39.1@-32.55,-21.875 -31.675,-21.875 -30.975,-22.575 -29.175,-22.575 U5.D4@-28.85,-22.9
NetR43_1: R43.1 R44.1 R45.1 U10.7 | length 3.5
  Bottom Layer w0.2: R45.1@-41.75,-30.7 R44.1@-40.75,-30.7 R43.1@-39.75,-30.7 -39.75,-31.075 -39.575,-31.25 U10.7@-38.65,-31.25
NetR57_1: R57.1 U5.R13 | length 2
  Bottom Layer w0.15: U5.R13@-21.7,-28.75 -21.225,-29.225 -21.1,-29.35 R57.1@-19.95,-29.35
NetR58_1: R58.1 U5.B14 | length 4
  Bottom Layer w0.15: R58.1@-32.575,-29.725 R58.1@-32.55,-29.75 -32.55,-30.4 -32.375,-30.575 -30.75,-30.575 -30.475,-30.3 -30.475,-29.725 U5.B14@-30.15,-29.4
NetSB22_2: SB22.2 SW1.3 | length 4.3
  Bottom Layer w0.5: SW1.3@-48.85,-46.509 -48.85,-44.35 -48,-43.5 SB22.2@-47.025,-43.5
NRST: CN17.12 R29.2 SB30.2 U14.5 | length 49.6
  Top Layer w0.15: v1(-39.801,-6.501) -39.275,-7.025 v1(-38.275,-7.025) ; v1(-22.5,-13.575) -22,-14.075 -22,-18.786 -18.786,-22 v1(-18.325,-22)
  Bottom Layer w0.15: CN17.12@-48.468,0.29 -45.65,0.29 -45.535,0.175 -45.525,0.175 -45.4,0.05 -45.4,-0.75 -44.95,-1.2 -43.075,-1.2 -42.65,-1.625 -40.75,-1.625 -38.525,-3.85 -38.525,-5.9 -38.275,-6.15 v1(-38.275,-7.025) -38.275,-7.425 -38.525,-7.675 -38.525,-8.189 -38.9,-8.564 -38.9,-8.749 -38.9,-9.101 -38.9,-9.111 -38.461,-9.55 -38.247,-9.55 -36.072,-11.725 -29.1,-11.725 -27.925,-12.9 -23.175,-12.9 v1(-22.5,-13.575) ; SB30.2@-40.475,-6.5 v1(-39.801,-6.501) ; R29.2@-19.05,-22 v1(-18.325,-22)
RSTN: B4.2 B4.4 C62.1 CN1.12 CN3.14 CN5.3 SB29.1 SB30.1 U19.1 | length 97.8
  Top Layer w0.15: CN1.12@-44.855,-6.35 -43.262,-6.35 -42.987,-6.625 v1(-42.375,-6.625) -41.95,-7.05 -39.639,-7.05 -39.214,-7.475 -37.875,-7.475 -37.25,-8.1 -37.25,-8.898 -38.725,-10.373 -38.725,-10.861 -38.725,-11.019 -38.878,-11.172 -38.878,-12.172 v1(-38.875,-12.175) ; C62.1@-24.25,-47.95 -24.07,-47.77 -23.939,-47.77 -23.469,-47.3 -22.65,-47.3 -22.325,-47.625 v1(-22.325,-47.65)
  Top Layer w0.2: CN3.14@-58.42,-15.24 CN5.3@-53.34,-15.24 ; v1(-46.463,-7.212) -46.463,-7.183 -45.905,-6.625 -45.13,-6.625 CN1.12@-44.855,-6.35 ; B4.4@-29.6,-48.85 B4.2@-25.5,-48.85 -24.8,-48.85 -24.638,-48.688 U19.1@-24.25,-48.688 C62.1@-24.25,-47.95
  Signal Layer 1 w0.15: v1(-32.1,-14.45) -31.35,-13.7 -23.85,-13.7 -23.075,-14.475 -22.2,-14.475 -21.45,-15.225 -21.175,-15.225 v1(-19.75,-16.65)
  Bottom Layer w0.15: v1(-42.375,-6.625) -41.538,-6.625 -41.45,-6.713 SB29.1@-41.45,-7.75 ; v1(-38.875,-12.175) -38.175,-12.175 -38.025,-12.025 -36.95,-12.025 -36.425,-12.55 -34,-12.55 v1(-32.1,-14.45) ; v1(-22.325,-47.65) -22.325,-41.425 -23.4,-40.35 -23.4,-38.45 -21.9,-36.95 -21.9,-35.35 -17.85,-31.3 -17.85,-18.75 -19.225,-17.375 -19.225,-17.175 v1(-19.75,-16.65)
  Bottom Layer w0.2: CN5.3@-53.34,-15.24 -48.196,-10.096 -48.196,-9.371 -46.475,-7.65 -46.475,-7.224 v1(-46.463,-7.212)
STLK_LED: R49.2 R51.1 U5.D15 | length 21
  Top Layer w0.15: v1(-29.175,-30.7) -28.525,-30.7 -28.325,-30.5 -24.725,-30.5 -23.875,-31.35 -19.486,-31.35 -17.336,-33.5 -13.225,-33.5 -12.675,-34.05 R49.2@-12,-34.05 R51.1@-10.5,-34.05
  Bottom Layer w0.15: v1(-29.175,-30.7) -28.85,-30.375 U5.D15@-28.85,-30.05
STLK_OSC_IN: C28.2 U5.G1 X1.1 | length 5.7
  Bottom Layer w0.15: C28.2@-28.5,-16.3 -28.45,-16.25 X1.1@-27.45,-16.25 ; X1.1@-27.05,-16.55 -26.75,-16.85 -26.75,-20.525 -26.9,-20.675 U5.G1@-26.9,-20.95
STLK_OSC_OUT: C29.1 U5.H1 X1.3 | length 5.2
  Bottom Layer w0.15: U5.H1@-26.25,-20.95 -26.25,-20.725 -26.475,-20.5 -26.475,-17.625 -26.15,-17.3 -26.15,-17.2 C29.1@-25,-17.2 ; X1.3@-25.988,-17.363 X1.3@-25.95,-17.325
STLK_SWCLK: CN16.2 U5.A14 | length 37.6
  Top Layer w0.15: CN16.2@-31.75,3.625 -31.75,1.5 -32,1.25 -32,-0.671 -31.05,-1.621 -31.05,-16.864 -30.45,-17.464 -30.45,-20.2 -28.3,-22.35 -28.3,-24.825 -28.2,-24.925 -28.2,-27.529 -28.275,-27.604 -28.275,-28.725 -28.675,-29.125 -30.375,-29.125 -30.425,-29.075 v1(-31.125,-29.075)
  Bottom Layer w0.15: v1(-31.125,-29.075) U5.A14@-30.8,-29.4
STLK_SWDIO: CN16.4 U5.A15 | length 41.1
  Top Layer w0.15: CN16.4@-36.81,3.75 -31.325,-1.735 -31.325,-15.725 -31.325,-16.351 -31.325,-16.978 -30.725,-17.578 -30.725,-20.314 -28.575,-22.464 -28.575,-24.939 -28.475,-25.039 -28.475,-27.415 -28.55,-27.49 -28.55,-28.611 -28.789,-28.85 -30.25,-28.85 -30.45,-28.65 -31.35,-28.65 v1(-31.775,-29.075)
  Bottom Layer w0.15: v1(-31.775,-29.075) -31.775,-29.575 -31.375,-29.975 -31.3,-30.05 U5.A15@-30.8,-30.05
STLK_UCPD_CC1_C: C26.1 R20.2 U5.M5 | length 25
  Top Layer w0.15: v1(-23.325,-23.225) -22.775,-22.675 -21.026,-22.675 -20.136,-22.675 -18.75,-24.061 -18.75,-29.575 v1@-18.275,-30.05
  Bottom Layer w0.15: R20.2@-25,-39.55 C26.1@-25,-38.45 -23.8,-38.45 -22.4,-37.05 ; U5.M5@-23.65,-23.55 v1(-23.325,-23.225) ; -22.394,-37.056 -22.175,-36.836 -22.175,-35.236 -18.275,-31.336 v1(-18.275,-30.025)
STLK_UCPD_CC2_C: C27.1 R22.2 U5.N5 | length 28.8
  Top Layer w0.15: v1(-30.5,-39) -29.8,-38.3 -24.425,-38.3 v1(-24.125,-38) ; v1(-22.675,-23.225) -21.975,-23.225 -21.7,-22.95 -20.25,-22.95 -19.025,-24.175 -19.025,-30.55 v1@-18.775,-30.8
  Bottom Layer w0.15: R22.2@-30.5,-39.55 v1(-30.5,-39) C27.1@-30.5,-38.45 ; v1(-24.125,-38) -22.45,-36.325 -22.45,-35.1 -18.7,-31.35 v1(-18.7,-30.825) ; U5.N5@-23,-23.55 v1(-22.675,-23.225)
STLK_USB_CN_N: CN15.A7 CN15.B7 U8.2 | length 4
  Bottom Layer w0.155: CN15.A7@-28.02,-43.08 -27.975,-43.125 -27.937,-43.162 -27.862,-43.238 -27.862,-43.419 -27.759,-43.522 -27.573,-43.522 -27.275,-43.82 -27.275,-44.025 ; CN15.A7@-28.01,-42.89 -28.01,-41.76 -27.75,-41.5 U8.2@-27.75,-40.9 ; -27.272,-44.025 -27.272,-44.578 CN15.B7@-27.26,-44.59
STLK_USB_CN_P: CN15.A6 CN15.B6 U8.1 | length 4.5
  Top Layer w0.155: v1(-27.75,-43.95) -27.75,-43.942 -27.52,-43.712 v1(-27.52,-42.2)
  Bottom Layer w0.155: CN15.B6@-27.76,-44.59 -27.755,-44.585 -27.755,-43.955 v1(-27.75,-43.95) ; CN15.A6@-27.545,-42.8 -27.515,-42.77 -27.515,-42.205 v1(-27.52,-42.2) -27.52,-41.82 -27.25,-41.55 U8.1@-27.25,-40.9
STLK_USB_N: U5.R14 U8.5 | length 13.7
  Bottom Layer w0.15: -22.028,-29.727 -21.803,-29.503
  Bottom Layer w0.155: U8.5@-27.75,-39.6 -27.702,-39.552 -27.702,-39.299 -27.691,-39.287 -27.691,-37.366 -25.25,-34.925 -24.014,-34.925 -21.581,-32.492 -21.581,-31.212 -22.036,-30.758 -22.036,-30.429 -22.028,-30.421 -22.028,-29.727
STLK_USB_P: U5.R15 U8.6 | length 13
  Bottom Layer w0.15: U5.R15@-21.7,-30.05 U5.R15@-21.657,-30.094
  Bottom Layer w0.155: U8.6@-27.25,-39.6 -27.298,-39.552 -27.298,-39.299 -27.31,-39.287 -27.31,-37.523 -25.092,-35.306 -24.106,-35.306 ; -24.1,-35.3 -24.094,-35.306 -23.856,-35.306 -21.2,-32.65 -21.2,-31.055 -21.655,-30.6 -21.655,-30.271 -21.657,-30.269 U5.R15@-21.657,-30.094
STLK_VCP_RX: R55.1 U5.C10 | length 3.4
  Bottom Layer w0.15: R55.1@-32.55,-27.75 -31.6,-27.75 -30.975,-27.125 -29.825,-27.125 U5.C10@-29.5,-26.8
STLK_VCP_TX: R56.1 U5.A7 | length 2.5
  Bottom Layer w0.15: R56.1@-32.704,-23.75 -32,-23.75 -31.725,-24.025 -31.725,-24.275 -31.15,-24.85 U5.A7@-30.8,-24.85
SW_DIR: R41.2 U5.R3 U9.10 | length 30.7
  Top Layer w0.15: v1(-22.499,-15.575) v1(-22.499,-15.575) -22.5,-17.024 -22.925,-17.449 -22.925,-18.25 -20.85,-20.325 v1(-20.85,-22.25)
  Bottom Layer w0.15: R41.2@-41.25,-17.55 -40.6,-17.55 -40.4,-17.75 U9.10@-39.7,-17.75 -39.7,-18.225 -38.787,-19.138 -37.052,-19.138 -36.839,-18.925 -33.75,-18.925 -33.325,-18.5 -33.325,-18.275 ; -33.325,-18.189 -31.636,-16.5 -30.65,-16.5 -30.18,-16.03 -30.174,-16.03 -29.925,-15.781 -29.925,-15.775 -28.7,-14.55 -28.275,-14.55 -24.775,-14.55 -23.75,-15.575 v1(-22.499,-15.575) ; U5.R3@-21.7,-22.25 v1(-20.85,-22.25)
T_DBG_BOOT: R59.2 U5.B3 U6.3 | length 9
  Top Layer w0.15: v1(-36.475,-23.95) -34.525,-23.95 -32.513,-21.938 v1(-30.462,-21.938)
  Bottom Layer w0.15: U6.3@-37.3,-24.25 -37.288,-24.238 -36.763,-24.238 v1(-36.475,-23.95) R59.2@-35.75,-23.95 ; v1(-30.462,-21.938) U5.B3@-30.15,-22.25
T_DBG_RST: R2.2 SB29.2 U5.B2 | length 27.1
  Top Layer w0.15: v1(-40.2,-19.375) -40.2,-18.8 -40.05,-18.65 -40.05,-14.711 -39.35,-14.011 -39.35,-11.125 -39.35,-11.014 -39.35,-10.786 -39.344,-10.781 ; v1(-39.9,-7.75) -38,-7.75 -37.525,-8.225 -37.525,-8.784 -38.166,-9.425 -38.583,-9.425 -39.1,-9.942 -39.1,-10.525 -39.35,-10.775
  Bottom Layer w0.15: SB29.2@-40.475,-7.75 v1(-39.9,-7.75) ; v1(-40.2,-19.375) -39.4,-19.375 -39.025,-19.75 -36.875,-19.75 -36.6,-19.475 -33.574,-19.475 -33.099,-19.95 R2.2@-32.5,-19.95 -31.85,-19.95 -31.575,-20.225 -31.575,-20.628 -30.928,-21.275 -30.475,-21.275 U5.B2@-30.15,-21.6
T_JRCLK: R17.1 U5.A10 U6.6 | length 7.7
  Top Layer w0.15: v1(-35.75,-25.5) -34.45,-26.8 v1(-31.8,-26.8)
  Bottom Layer w0.15: U6.6@-37.3,-25.75 -36.675,-25.75 -36.375,-26.05 R17.1@-35.775,-26.05 ; R17.1@-35.75,-26.05 v1(-35.75,-25.5) ; v1(-31.8,-26.8) -31.775,-26.8 U5.A10@-30.8,-26.8
T_JTDI: R27.1 U5.L3 U9.6 | length 24.1
  Top Layer w0.15: v1(-23.975,-21.925) -23.55,-21.5 -23.55,-21.025 -23.9,-20.675 -23.9,-17.564 -23.2,-16.864 v1(-23.2,-15)
  Bottom Layer w0.15: U9.6@-37.3,-17.25 -36.675,-17.25 -36.6,-17.325 R27.1@-35.8,-17.325 ; R27.1@-35.75,-17.3 -35.655,-17.3 -35.475,-17.48 -35.475,-17.6 -35.325,-17.75 -34.825,-17.75 -33.95,-17.75 -30.475,-14.275 -24.65,-14.275 -23.925,-15 v1(-23.2,-15) ; U5.L3@-24.3,-22.25 v1(-23.975,-21.925)
T_MCO: R21.1 U5.F15 | length 3.3
  Bottom Layer w0.15: R21.1@-29.55,-32.05 -29.55,-31.575 -29.375,-31.4 -28.625,-31.4 -27.55,-30.325 U5.F15@-27.55,-30.05
T_PWR_EN: R46.2 R53.2 U5.R5 U10.2 U12.4 | length 37.5
  Top Layer w0.15: v1(-31.275,-31.05) -30.225,-31.05 -29.4,-30.225 -24.6,-30.225 -23.825,-31 -20.9,-31 -20.175,-30.275 -20.175,-29.05 -21.125,-28.1 v1(-21.125,-23.55)
  Bottom Layer w0.15: U12.4@-37.55,-39.1 -36.775,-39.1 -36.675,-39 R53.2@-35.7,-39 -35.7,-38.35 -35.475,-38.125 -34.275,-38.125 -33.85,-37.7 -33.85,-32.15 -34.75,-31.25 ; U10.2@-36.85,-31.25 -34.75,-31.25 ; v1(-31.275,-31.05) -33.175,-31.05 -33.525,-30.7 R46.2@-34.75,-30.7 -34.75,-31.25 ; U5.R5@-21.7,-23.55 v1(-21.125,-23.55)
T_PWR_EXT: R36.1 R38.1 U5.R4 | length 2.8
  Bottom Layer w0.15: U5.R4@-21.7,-22.9 -20.775,-22.9 -20.725,-22.95 -20.675,-23 R36.1@-19.975,-23 ; R38.1@-19.95,-24 R36.1@-19.95,-23
T_PWR_INT: R40.2 R42.2 R52.2 U5.B13 U12.3 | length 23.6
  Top Layer w0.15: v1(-41.75,-31.675) -41.05,-32.375 -39.825,-32.375 -39.675,-32.525 -36.6,-32.525 -36.45,-32.375 -34.88,-32.375 -34.455,-31.95 -33.85,-31.95 v1(-33.425,-32.375)
  Bottom Layer w0.15: v1(-41.75,-31.675) R42.2@-41.75,-32.3 R40.2@-40.825,-32.3 ; U12.3@-37.55,-36.9 -36.725,-36.9 -36.675,-36.95 -36.625,-37 R52.2@-35.725,-37 ; R52.2@-35.7,-37 -35.7,-34.8 -34.9,-34 v1(-34.9,-32.375) ; v1(-33.425,-32.375) -31.9,-32.375 -29.825,-30.3 -29.825,-29.075 U5.B13@-30.15,-28.75
T_PWR_LED: R48.2 R50.2 U5.H15 | length 14.5
  Top Layer w0.15: v1(-26.25,-30.925) -26.2,-30.875 -24.739,-30.875 -23.989,-31.625 -19.6,-31.625 -17.45,-33.775 -16.575,-33.775 -16.35,-34 R48.2@-15.5,-34 -15.45,-34.05 R50.2@-14,-34.05
  Bottom Layer w0.15: v1(-26.25,-30.925) U5.H15@-26.25,-30.05
T_PWR_SEL1: R43.2 U5.D10 | length 12.9
  Top Layer w0.15: v1(-39.75,-29.125) -39.475,-28.85 -36.6,-28.85 -36.4,-28.65 -31.786,-28.65 -31.336,-28.2 -29.575,-28.2 -29.175,-27.8 v1(-29.175,-27.125)
  Bottom Layer w0.15: R43.2@-39.75,-29.8 v1(-39.75,-29.125) ; v1(-29.175,-27.125) U5.D10@-28.85,-26.8
T_PWR_SEL2: R44.2 U5.C11 | length 12.6
  Top Layer w0.15: v1(-40.75,-29.125) -40.2,-28.575 -36.725,-28.575 -36.525,-28.375 -31.9,-28.375 -31.3,-27.775 v1(-29.825,-27.775)
  Bottom Layer w0.15: R44.2@-40.75,-29.8 v1(-40.75,-29.125) ; v1(-29.825,-27.775) U5.C11@-29.5,-27.45
T_SWCLK: CN17.9 R25.1 U5.M6 U5.M11 U9.4 | length 61.7
  Top Layer w0.15: v1(-40.575,-2.475) -38.5,-4.55 -38.025,-4.55 -35.75,-6.825 -35.75,-12.15 -36.25,-12.65 -36.25,-14.675 -35.75,-15.175 v1(-35.75,-16.25) ; v1(-23.325,-27.775) -23.8,-27.3 -23.8,-24.35 v1(-23.325,-23.875) -23.75,-23.45 -23.75,-23 -23.725,-22.975 -22.875,-22.125 -22.875,-20.375 -23.6,-19.65 -23.6,-17.653 -22.925,-16.978 -22.925,-15.4 v1(-22.5,-14.975)
  Bottom Layer w0.15: CN17.9@-52.532,-0.98 -50.63,-0.98 -50,-0.35 -46.461,-0.35 -45.795,-1.016 -45.795,-1.031 -45.619,-1.207 -45.332,-1.207 -45.064,-1.475 -43.189,-1.475 -42.764,-1.9 -41.15,-1.9 v1(-40.575,-2.475) ; U9.4@-37.3,-16.25 v1(-35.75,-16.25) -35,-16.25 -34.75,-16 R25.1@-34.75,-15.45 -32.45,-15.45 -30.725,-13.725 -23.75,-13.725 v1(-22.5,-14.975) ; U5.M11@-23.65,-27.45 v1(-23.325,-27.775) ; U5.M6@-23.65,-24.2 v1(-23.325,-23.875)
T_SWDIO: R26.1 U5.L2 U5.N12 U9.5 | length 32.6
  Top Layer w0.15: -24.1,-23.325 -24.425,-23 -24.425,-21.725 v1(-23.975,-21.275) -24.775,-20.475 -24.775,-18.925 -24.175,-18.325 -24.175,-17.45 -23.65,-16.925 v1(-23.65,-14.55) ; -24.075,-23.325 -24.075,-27.626 -23.501,-28.2 -22.921,-28.2 -22.705,-28.416 v1(-22.683,-28.416)
  Bottom Layer w0.15: U9.5@-37.3,-16.75 -34.85,-16.75 -34.75,-16.85 R26.1@-34.75,-17.3 -33.889,-17.3 -30.589,-14 -24.2,-14 v1(-23.65,-14.55) ; U5.L2@-24.3,-21.6 v1(-23.975,-21.275) ; U5.N12@-23,-28.1 v1(-22.683,-28.416)

## Text inside footprints (layer, text, board x,y; h text height)
U1: M15-Bottom Assembly "6" at -13.35,-40.675 h0.5 r180; M15-Bottom Assembly "5" at -12.85,-40.675 h0.5 r180; M15-Bottom Assembly "4" at -12.36,-40.683 h0.5 r180; M15-Bottom Assembly "3" at -12.35,-39.5 h0.5 r180; M15-Bottom Assembly "2" at -12.85,-39.5 h0.5 r180; M15-Bottom Assembly "1" at -13.325,-39.5 h0.5 r180; Bottom Overlay "1" at -13.7,-39.8 h1.3
U2: M14-Top Assembly "K" at -15.325,-43.45 h1 r270
U3: M15-Bottom Assembly "3" at -28.9,-4.05 h1.5 r270; M15-Bottom Assembly "2" at -28.875,-6.35 h1.5 r270; M15-Bottom Assembly "1" at -28.85,-8.5 h1.5 r270; M15-Bottom Assembly "4" at -23.125,-6.325 h1.5 r270; Bottom Overlay "1" at -28.8,-9.525 h1.5 r270
U4: Bottom Overlay "1" at -33.25,-4.85 h1.5 r270
U5: M15-Bottom Assembly "A1" at -30.65,-20.6 h0.75 r90
U6: M15-Bottom Assembly "1" at -38.3,-23.3 h0.4 r180; M15-Bottom Assembly "15" at -39.725,-23.925 h0.4 r270; M15-Bottom Assembly "10" at -39.725,-26.425 h0.4 r270; M15-Bottom Assembly "9" at -38.675,-26.675 h0.4; M15-Bottom Assembly "8" at -38.175,-26.675 h0.4; M15-Bottom Assembly "7" at -37.3,-26.175 h0.4 r90; M15-Bottom Assembly "2" at -37.325,-23.675 h0.4 r90; M15-Bottom Assembly "16" at -38.925,-23.3 h0.4 r180; M15-Bottom Assembly "17" at -38.325,-25.125 h0.4; Bottom Overlay "1" at -37.55,-23.1 h1.4 r270
U7: M14-Top Assembly "K" at -30.325,-43.45 h1 r270
U8: M15-Bottom Assembly "6" at -27.15,-39.825 h0.5; M15-Bottom Assembly "5" at -27.65,-39.825 h0.5; M15-Bottom Assembly "4" at -28.14,-39.817 h0.5; M15-Bottom Assembly "3" at -28.15,-41 h0.5; M15-Bottom Assembly "2" at -27.65,-41 h0.5; M15-Bottom Assembly "1" at -27.175,-41 h0.5; Bottom Overlay "1" at -26.45,-41.35 h1.3
U9: M15-Bottom Assembly "1" at -38.3,-14.8 h0.4 r180; M15-Bottom Assembly "15" at -39.725,-15.425 h0.4 r270; M15-Bottom Assembly "10" at -39.725,-17.925 h0.4 r270; M15-Bottom Assembly "9" at -38.675,-18.175 h0.4; M15-Bottom Assembly "8" at -38.175,-18.175 h0.4; M15-Bottom Assembly "7" at -37.3,-17.675 h0.4 r90; M15-Bottom Assembly "2" at -37.325,-15.175 h0.4 r90; M15-Bottom Assembly "16" at -38.925,-14.8 h0.4 r180; M15-Bottom Assembly "17" at -38.325,-16.625 h0.4; Bottom Overlay "1" at -37.5,-14.6 h1.4 r270
U10: M15-Bottom Assembly "1" at -36.85,-30.925 h0.5; M15-Bottom Assembly "4" at -36.825,-32.4 h0.5; M15-Bottom Assembly "5" at -38.45,-32.4 h0.5; M15-Bottom Assembly "8" at -38.45,-30.925 h0.5; Bottom Overlay "1" at -36.05,-30.975 h1.3
U12: Bottom Overlay "1" at -39.85,-36.9 h1.5
U15: M15-Bottom Assembly "1" at -47.3,-24.45 h0.4 r90; M15-Bottom Assembly "15" at -47.925,-23.025 h0.4 r180; M15-Bottom Assembly "10" at -50.425,-23.025 h0.4 r180; M15-Bottom Assembly "9" at -50.675,-24.075 h0.4 r270; M15-Bottom Assembly "8" at -50.675,-24.575 h0.4 r270; M15-Bottom Assembly "7" at -50.175,-25.45 h0.4; M15-Bottom Assembly "2" at -47.675,-25.425 h0.4; M15-Bottom Assembly "16" at -47.3,-23.825 h0.4 r90; M15-Bottom Assembly "17" at -49.125,-24.425 h0.4 r270; Bottom Overlay "1" at -46.75,-25.65 h1.4
U16: M14-Top Assembly "K" at -49.175,-45.35 h0.45 r180
U17: M14-Top Assembly "K" at -38.925,-45.35 h0.45 r180
U18: M14-Top Assembly "K" at -36.925,-45.5 h0.45 r180
U19: M14-Top Assembly "K" at -24.4,-48.425 h0.45 r270
X1: M15-Bottom Assembly "1" at -27.475,-16.1 h0.5 r180; M15-Bottom Assembly "2" at -26.225,-16.1 h0.5 r180; M15-Bottom Assembly "3" at -26.225,-17.075 h0.5 r180; M15-Bottom Assembly "4" at -27.5,-17.075 h0.5 r180